# Altium PCB balenaFin_v1_x_x.PcbDoc (part 6 of 7)
Units mm, origin at the board's own origin, x right, y up, seen from the top; angles counter-clockwise.
Board outline 90.03 x 90.03 mm, 8 copper layers (TOP, GND, INT1, INT2, INT3, INT4, POWER, BOTTOM), stack 1.496 mm thick; 502 components, 409 nets, 2324 pads, 1048 vias.
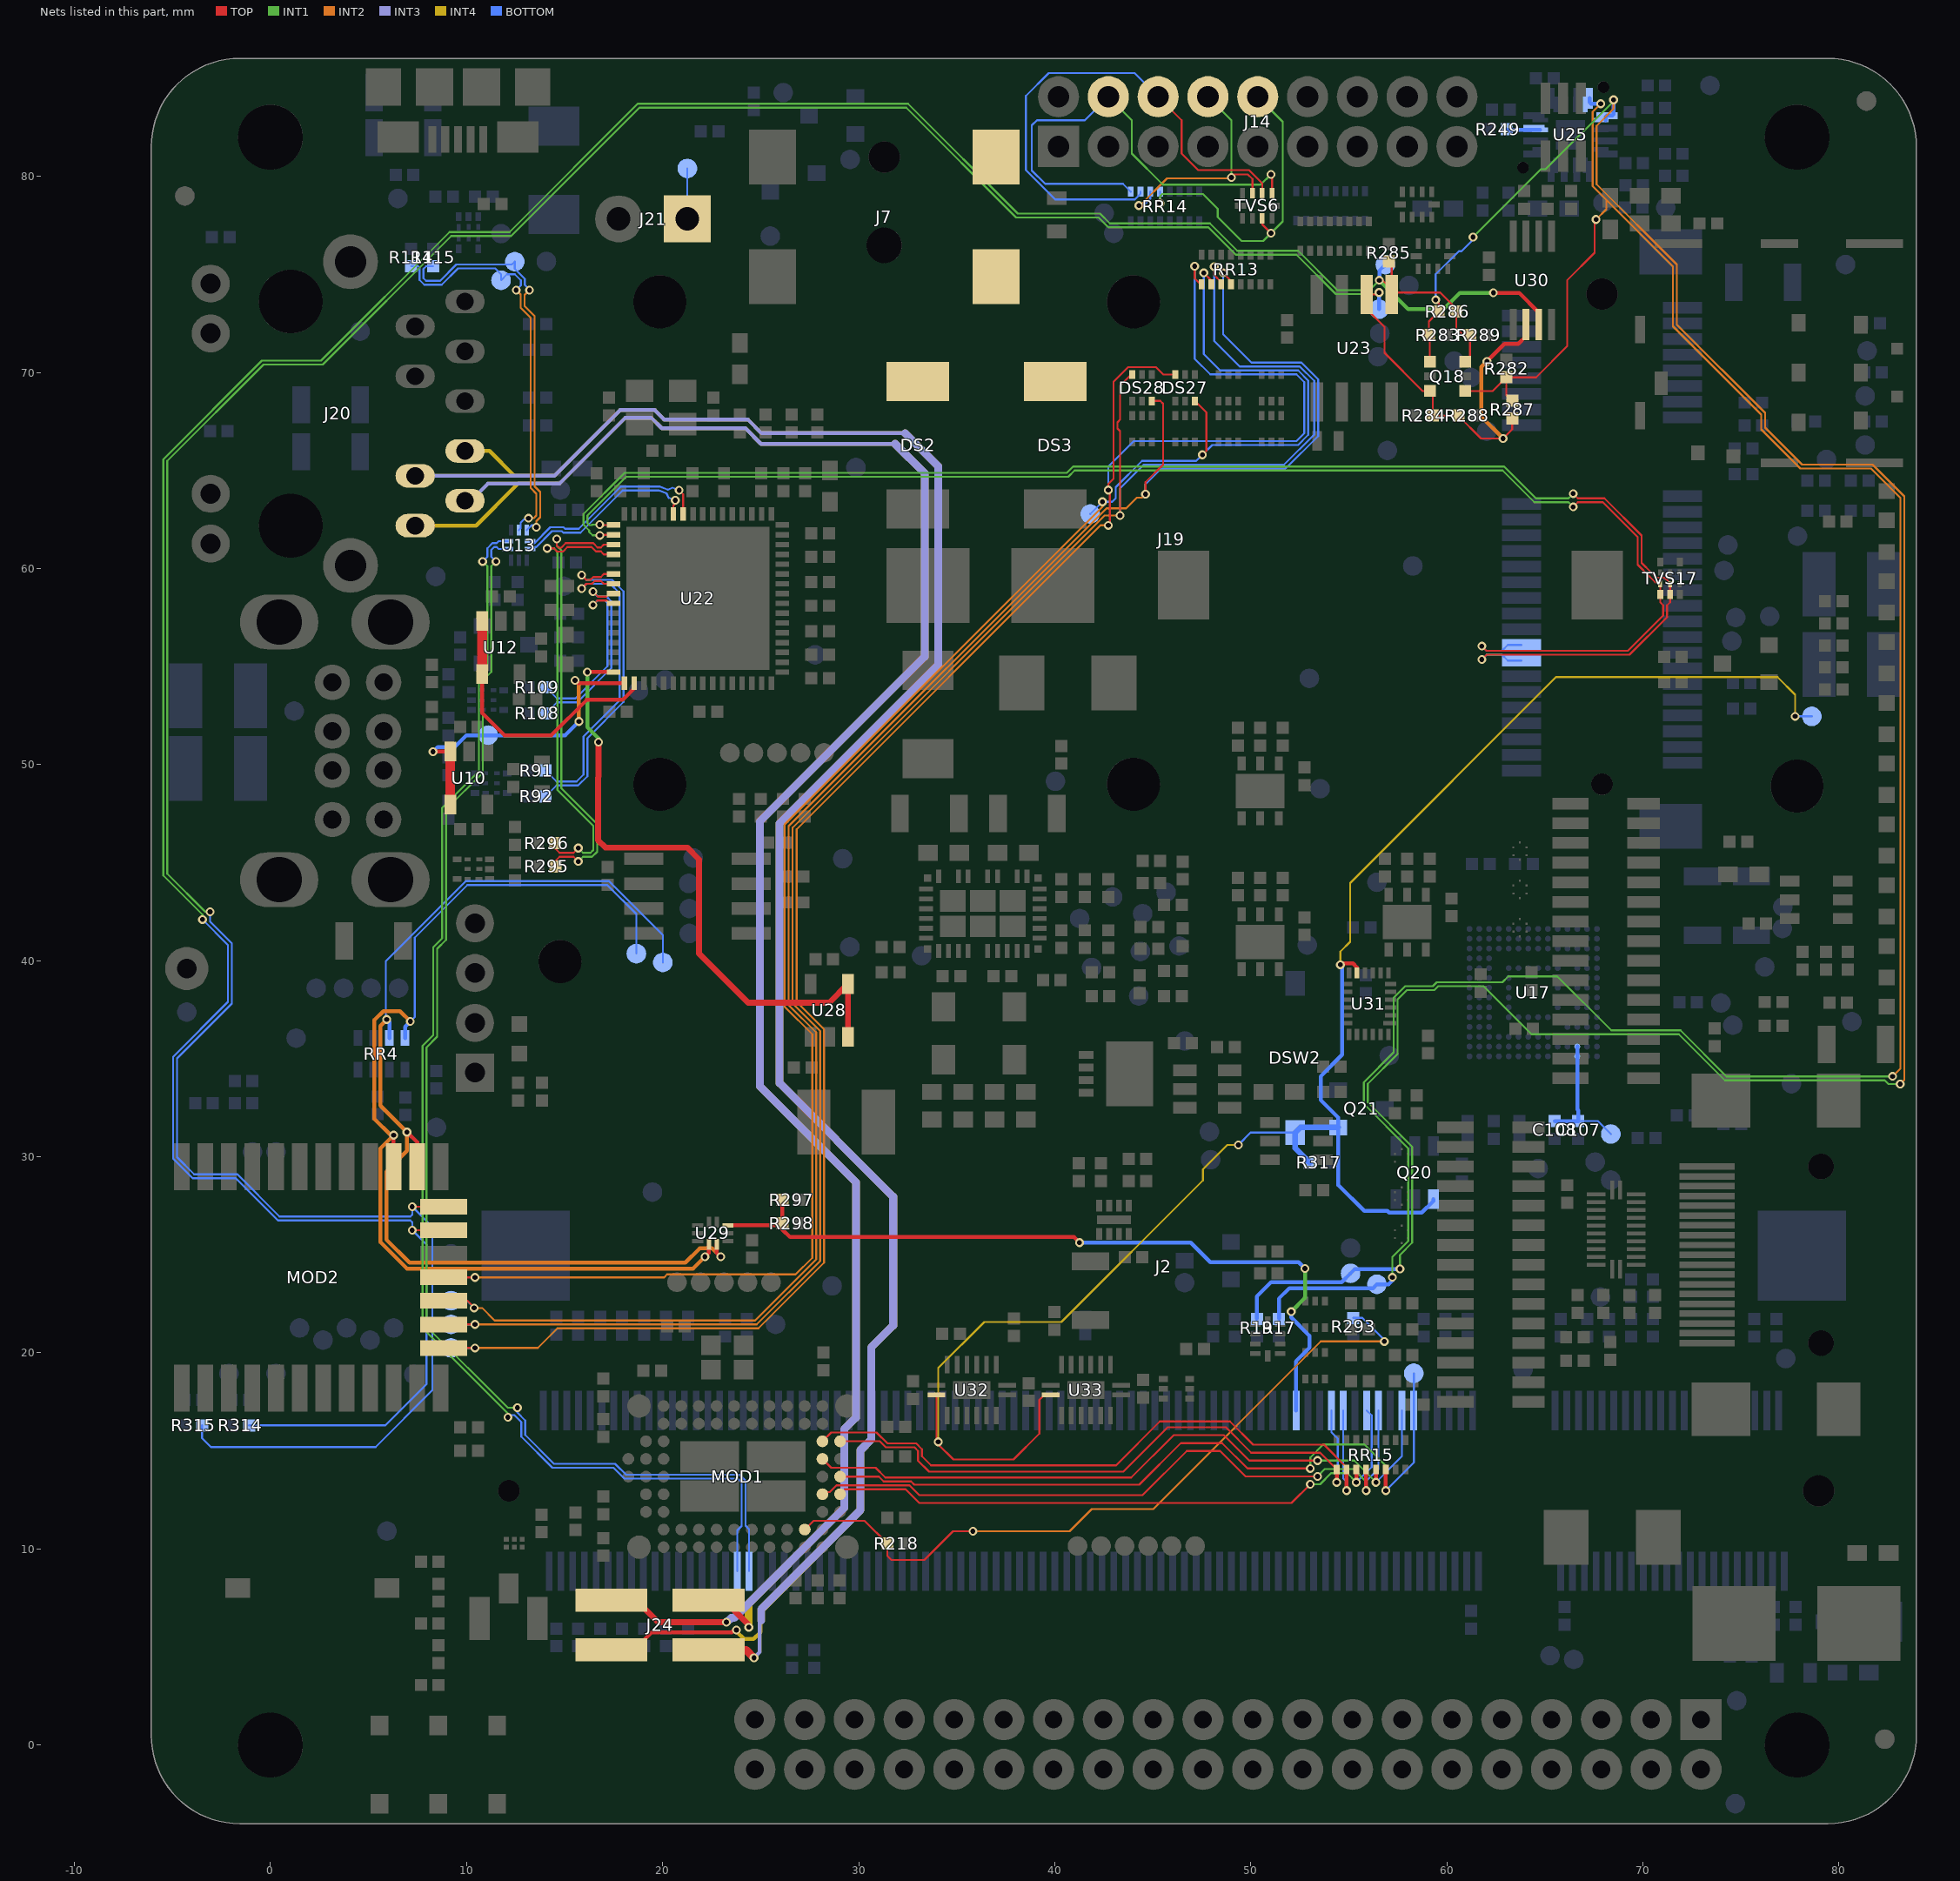
[diagram p12: the nets of this part, all layers, seen from the top]

## Via types
v1: diameter 0.45, hole 0.254, TOP to BOTTOM, tented both sides, 1048 vias

## Nets (pads, with @x,y where several pads share a name; then routed paths per layer and width w, separated by ;. In a path a pad name is that pad's centre, name@x,y a point inside that pad or via, vN(x,y) a via of type N, cw(c..) or ccw(c..) an arc to the next point about the centre after c; other vN are vias at no path point) (continued)
SEL_CAM_DIS: DSW2.2 pad.1@78.612,52.46 Q20.1 Q21.1 R317.2 U31.11 U32.1 U33.1 | length 95.3
  TOP w0.1: U32.1@33.97,17.85 33.97,15.55 v1(34.06,15.46) 34.06,15.33 34.83,14.56 37.89,14.56 39.215,15.884 39.215,17.605 39.46,17.85 U33.1@39.79,17.85
  TOP w0.2: v1(54.567,39.793) 54.633,39.86 55.205,39.86 55.41,39.655 U31.11@55.41,39.378
  INT4 w0.1: v1(34.06,15.46) 34.06,19.23 36.405,21.575 40.335,21.575 47.56,28.8 47.56,29.36 48.8,30.6 v1(49.36,30.6) ; v1(54.567,39.793) 54.567,40.467 55.06,40.96 55.06,43.96 65.56,54.46 76.86,54.46 77.76,53.56 v1(77.76,52.46)
  BOTTOM w0.1: v1(49.36,30.6) 49.99,31.23 DSW2.2@52.26,31.23 ; v1(77.76,52.46) pad.1@78.612,52.46
  BOTTOM w0.2: v1(54.567,39.793) 54.66,39.7 54.66,35.2 53.56,34.1 53.56,32.9 54.46,32 Q21.1@54.46,31.5 54.46,28.56 55.786,27.234 56.968,27.234 57.052,27.15 58.718,27.15 59.31,27.742 Q20.1@59.31,27.85
  BOTTOM w0.3: R317.2@53.01,29.7 52.26,30.45 DSW2.2@52.26,31.23 52.53,31.5 Q21.1@54.46,31.5
SEL_SWD: J2.72 R297.1 R298.2 U29.10 | length 40
  TOP w0.2: U29.10@23.329,26.5 26.01,26.5 R298.2@26.11,26.6 ; R297.1@26.11,27.8 R298.2@26.11,26.6 ; v1(41.26,25.625) 40.985,25.9 26.5,25.9 26.11,26.29 R298.2@26.11,26.6
  INT1 w0.2: v1(52.06,22.1) 52.76,22.8 v1(52.76,24.3)
  BOTTOM w0.2: v1(41.26,25.625) 46.935,25.625 47.935,24.625 52.435,24.625 v1(52.76,24.3) ; v1(52.06,22.1) 52.06,21.8 52.994,20.866 52.994,20.265 52.305,19.576 52.305,17.065 J2.72@52.31,17.06
SPI-MCU_MISO: DS28.6 MOD2.15 pad.1@9.21,22.66 RR13.4 | length 98.5
  TOP w0.1: MOD2.15@8.83,22.65 10.049,22.65 10.41,22.289 v1(10.389,22.289) ; v1(44.624,63.789) 44.63,63.794 44.63,64.4 45.53,65.3 45.53,68.4 45.385,68.545 DS28.6@44.95,68.545 ; v1(48.592,75.075) 48.99,74.677 RR13.4@48.99,74.5
  INT2 w0.1: v1(10.389,22.289) 10.791,22.289 11.43,21.65 24.714,21.65 27.83,24.766 27.83,36.334 26.43,37.734 26.43,46.866 42.639,63.075 43.643,63.075 44.182,63.614 44.449,63.614 v1(44.624,63.789)
  BOTTOM w0.1: pad.1@9.21,22.66 10.017,22.66 v1(10.389,22.289) ; v1(44.624,63.789) 44.624,64.294 45.415,65.085 51.764,65.085 53.43,66.751 53.43,69.649 52.579,70.5 50.03,70.5 48.592,71.938 v1(48.592,75.075)
SPI-MCU_MISO_EXT: J14.10 RR14.12 TVS6.8 | length 16.8
  TOP w0.1: TVS6.8@50.58,77.86 50.58,77.55 v1(51.03,77.1)
  INT1 w0.1: v1(45.37,78.618) 45.37,78.997 45.47,79.097 47.551,79.097 48.305,78.343 48.305,77.925 49.53,76.7 50.63,76.7 v1(51.03,77.1) 51.63,77.7 51.63,82.78 J14.10@50.35,84.06
  BOTTOM w0.1: v1(45.37,78.618) RR14.12@45.37,79.22
SPI-MCU_MOSI: DS28.3 MOD2.14 pad.1@9.21,21.45 RR13.3 | length 101.3
  TOP w0.1: MOD2.14@8.83,21.45 v1(10.43,21.45) ; v1(43.33,62.7) 43.33,67.01 43.195,67.145 43.195,67.455 43.33,67.59 43.33,69.33 43.895,69.895 DS28.3@43.95,69.895 ; v1(48.13,75.4) 48.13,74.972 48.29,74.812 48.29,74.81 48.49,74.61 RR13.3@48.49,74.5
  INT2 w0.1: v1(10.43,21.45) 24.797,21.45 28.03,24.683 28.03,36.417 26.63,37.817 26.63,46.783 42.547,62.7 v1(43.33,62.7)
  BOTTOM w0.1: pad.1@9.21,21.45 v1(10.43,21.45) ; v1(43.33,62.7) 43.33,64.087 44.528,65.285 51.681,65.285 53.23,66.834 53.23,69.566 52.496,70.3 49.43,70.3 48.13,71.6 v1(48.13,75.4)
SPI-MCU_MOSI_EXT: J14.8 RR14.11 TVS6.3 | length 13
  TOP w0.1: v1(49.01,79.945) 49.01,80 49.11,80.1 49.839,80.1 50.08,79.859 TVS6.3@50.08,79.14
  INT1 w0.1: J14.8@47.81,84.06 49.01,82.86 v1(49.01,79.945)
  INT2 w0.1: v1(44.29,78.508) 44.338,78.508 45.73,79.9 48.81,79.9 48.855,79.945 v1(49.01,79.945)
  BOTTOM w0.1: v1(44.29,78.508) 44.322,78.539 44.557,78.539 44.87,78.852 RR14.11@44.87,79.22
SPI-MCU_SCLK: DS27.6 MOD2.16 pad.1@41.81,62.78 RR13.2 | length 94.8
  TOP w0.1: MOD2.16@8.83,23.85 v1(10.43,23.85) ; DS27.6@47.15,68.545 47.73,67.965 47.73,66 v1(47.53,65.8) ; v1(47.599,75.075) 47.99,74.684 RR13.2@47.99,74.5
  INT2 w0.1: v1(10.43,23.85) 20.08,23.85 20.23,24 26.781,24 27.63,24.849 27.63,36.251 26.23,37.651 26.23,46.949 42.43,63.149 v1(42.43,63.4)
  BOTTOM w0.1: pad.1@41.81,62.78 v1(42.43,63.4) 42.93,63.4 43.105,63.575 43.105,64.145 44.445,65.485 47.215,65.485 v1(47.53,65.8) 48.03,66.3 52.413,66.3 52.93,66.817 52.93,69.583 52.413,70.1 48.43,70.1 47.599,70.931 v1(47.599,75.075)
SPI-MCU_SCLK_EXT: J14.6 RR14.10 TVS6.2 | length 26.8
  TOP w0.1: J14.6@45.27,84.06 46.47,82.86 46.47,81.163 47.313,80.32 49.902,80.32 50.58,79.642 TVS6.2@50.58,79.14
  BOTTOM w0.1: RR14.10@44.37,79.22 44.37,79.108 44.082,78.82 40.027,78.82 38.53,80.317 38.53,84.097 39.693,85.26 44.07,85.26 J14.6@45.27,84.06
SPI_MCU_CS-CON: DS27.3 MOD2.13 pad.1@9.21,20.25 RR13.1 | length 104.9
  TOP w0.1: MOD2.13@8.83,20.25 v1(10.43,20.25) ; v1(42.73,62.2) 42.805,62.275 42.805,63.925 v1(42.73,64) 42.73,64.317 42.995,64.582 42.995,69.527 43.738,70.27 45.162,70.27 45.537,69.895 DS27.3@46.15,69.895 ; v1(47.135,75.413) 47.135,74.795 47.43,74.5 RR13.1@47.49,74.5
  INT2 w0.1: v1(10.43,20.25) 13.63,20.25 14.63,21.25 24.88,21.25 28.23,24.6 28.23,36.5 26.83,37.9 26.83,46.7 42.33,62.2 v1(42.73,62.2)
  BOTTOM w0.1: pad.1@9.21,20.25 v1(10.43,20.25) ; v1(42.73,64) 42.73,65.2 44.03,66.5 52.33,66.5 52.73,66.9 52.73,69.5 52.33,69.9 47.93,69.9 47.135,70.695 v1(47.135,75.413)
SPI_MCU_CS-CON_EXT: J14.4 RR14.9 TVS6.1 | length 24.6
  TOP w0.1: v1(51.03,80.1) 51.08,80.05 TVS6.1@51.08,79.14
  INT1 w0.1: J14.4@42.73,84.06 43.93,82.86 43.93,81.163 45.518,79.575 47.438,79.575 47.443,79.57 50.5,79.57 v1(51.03,80.1)
  BOTTOM w0.1: J14.4@42.73,84.06 41.53,82.86 39.09,82.86 38.83,82.6 38.83,80.3 39.51,79.62 43.47,79.62 RR14.9@43.87,79.22
SW_I2C_SCL_ON: MOD2.19 pad.1@56.538,73.223 Q18.3 R284.1 R287.2 R288.1 R315.1 U23.6 U30.6 | length 172.5
  TOP w0.1: v1(7.23,27.45) MOD2.19@8.83,27.45 ; v1(56.538,74.075) 56.439,73.976 U23.6@55.91,73.976 55.91,73.22 56.813,72.317 56.813,71 58.763,69.05 Q18.3@59.13,69.05 59.28,68.9 R284.1@59.28,67.8 R288.1@60.58,67.8 61.745,66.635 v1(62.865,66.635) 63.33,67.1 R287.2@63.33,67.65
  TOP w0.2: v1(62.04,70.563) 62.927,71.45 63.638,71.45 64.03,71.842 U30.6@64.03,72.45
  INT1 w0.1: v1(-3.081,42.489) -3.329,42.489 -5.27,44.43 -5.27,65.487 -0.357,70.4 2.66,70.4 9.22,76.96 12.273,76.96 18.813,83.5 32.43,83.5 38.03,77.9 42.23,77.9 42.73,77.4 47.83,77.4 49.23,76 52.33,76 54.33,74 56.463,74 v1(56.538,74.075)
  INT2 w0.2: v1(62.04,70.563) 61.76,70.283 61.76,67.74 v1(62.865,66.635)
  BOTTOM w0.1: R315.1@-3.49,16.3 -3.49,15.65 -3.04,15.2 5.36,15.2 8.26,18.1 8.26,26.42 v1(7.23,27.45) 7.23,27.05 7.13,26.95 0.463,26.95 -1.687,29.1 -3.887,29.1 -4.77,29.983 -4.77,35.017 -1.97,37.817 -1.97,40.883 -3.081,41.994 v1(-3.081,42.489)
  BOTTOM w0.2: pad.1@56.538,73.223 v1(56.538,74.075)
SW_I2C_SCL_ON_OFF: pad.1@56.43,23.5 Q18.4 R17.2 R282.2 R287.1 U25.12 | length 126.7
  TOP w0.1: Q18.4@60.93,69.05 62.33,69.05 R282.2@63.03,69.75 ; R287.1@63.33,68.55 63.03,68.85 R282.2@63.03,69.75 ; v1(67.605,77.8) 67.605,77.775 67.53,77.7 67.53,76.1 66.13,74.7 66.13,71.335 64.545,69.75 R282.2@63.03,69.75
  INT1 w0.1: v1(57.217,23.851) 57.217,24.887 58.03,25.7 58.03,30.43 55.76,32.7 55.76,33.8 57.285,35.325 57.285,38.108 57.877,38.7 59.277,38.7 59.477,38.9 62.83,38.9 63.13,39.2 65.63,39.2 68.385,36.445 71.912,36.445 74.257,34.1 v1(82.73,34.1)
  INT2 w0.1: v1(67.605,77.8) 68.13,78.325 68.13,78.8 ; v1(67.842,83.7) 67.43,83.288 67.43,79.5 68.13,78.8 ; v1(82.73,34.1) 83.13,34.5 83.13,63.6 81.63,65.1 78.03,65.1 76.03,67.1 76.03,67.853 71.53,72.353 71.53,75.4 68.13,78.8
  BOTTOM w0.2: R17.2@51.43,21.73 51.43,22.77 51.96,23.3 56.23,23.3 pad.1@56.43,23.5 57.03,23.5 57.23,23.7 57.23,23.838 v1(57.217,23.851) ; U25.12@67.275,83.982 67.275,83.778 67.352,83.7 v1(67.842,83.7)
SW_I2C_SDA_ON: MOD2.18 pad.1@56.86,75.5 Q18.6 R285.2 R286.1 R289.2 R314.2 U23.5 U30.7 | length 166.1
  TOP w0.1: v1(7.23,26.25) MOD2.18@8.83,26.25 ; v1(56.553,74.7) 56.718,74.7 U23.5@57.18,74.238 ; R285.2@57.03,75.65 57.18,75.5 U23.5@57.18,74.238 ; Q18.6@60.93,70.55 61.18,70.8 R289.2@61.18,71.9 60.83,71.9 60.48,72.25 R286.1@60.48,73.1 60.48,73.25 59.655,74.075 57.279,74.075 U23.5@57.18,73.976 U23.5@57.18,74.238
  TOP w0.2: v1(62.37,74.06) 63.678,74.06 64.68,73.058 U30.7@64.68,72.45
  INT1 w0.1: v1(-3.47,42.1) -3.47,42.347 -5.47,44.347 -5.47,65.57 -0.44,70.6 2.577,70.6 9.137,77.16 12.19,77.16 18.73,83.7 32.513,83.7 38.113,78.1 42.313,78.1 42.813,77.6 47.913,77.6 49.313,76.2 52.413,76.2 54.413,74.2 56.053,74.2 v1(56.553,74.7)
  INT1 w0.2: v1(56.553,74.7) 58.033,73.22 59.83,73.22 60.67,74.06 v1(62.37,74.06)
  BOTTOM w0.1: v1(-3.47,42.1) -2.17,40.8 -2.17,37.9 -4.97,35.1 -4.97,29.9 -3.97,28.9 -1.77,28.9 0.38,26.75 7.13,26.75 7.23,26.65 v1(7.23,26.25) 7.959,25.521 7.959,18.399 5.86,16.3 R314.2@-1.09,16.3
  BOTTOM w0.2: v1(56.553,74.7) 56.553,75.192 pad.1@56.86,75.5
SW_I2C_SDA_ON_OFF: pad.1@55.087,24.056 Q18.1 R19.2 R283.1 R286.2 U25.13 | length 130.7
  TOP w0.1: Q18.1@59.13,70.55 59.13,71.85 R283.1@59.08,71.9 59.08,72.6 R286.2@59.58,73.1 59.58,73.55 v1(59.43,73.7)
  INT1 w0.1: v1(57.605,24.276) 57.605,24.992 58.23,25.617 58.23,30.513 55.96,32.783 55.96,33.717 57.485,35.242 57.485,38.025 57.96,38.5 59.36,38.5 59.56,38.7 61.862,38.7 64.317,36.245 71.829,36.245 74.174,33.9 82.33,33.9 82.519,33.711 v1(83.119,33.711) ; v1(61.33,76.9) 64.788,80.358 65.03,80.358 68.5,83.828 v1(68.5,83.9)
  INT2 w0.1: v1(68.5,83.9) 68.5,83.445 67.63,82.575 67.63,79.6 71.73,75.5 71.73,72.436 76.23,67.936 76.23,67.183 78.113,65.3 81.713,65.3 83.33,63.683 83.33,33.922 v1(83.119,33.711)
  BOTTOM w0.1: v1(59.43,73.7) 59.43,75 60.615,76.185 60.745,76.185 61.33,76.77 v1(61.33,76.9)
  BOTTOM w0.2: R19.2@50.31,21.73 50.31,22.88 51.03,23.6 54.63,23.6 pad.1@55.087,24.056 55.306,24.276 v1(57.605,24.276) ; U25.13@68.09,82.865 U25.13@68.09,83.035 ; U25.13@68.163,83.094 68.422,83.094 68.5,83.172 v1(68.5,83.9)
SWCLK_MCU: MOD2.21 pad.1@20.01,39.91 RR4.7 U29.7 | length 55.4
  TOP w0.2: v1(6.96,31.26) 7.48,30.74 MOD2.21@7.48,29.5 ; U29.7@22.76,25.532 22.76,25.101 v1(22.961,24.901)
  INT2 w0.2: v1(5.93,37) 5.605,36.675 5.605,32.615 v1(6.96,31.26) 6.96,30.3 5.905,29.245 5.905,25.779 7.084,24.6 21.16,24.6 21.885,25.325 22.536,25.325 v1(22.961,24.901)
  BOTTOM w0.1: v1(5.93,37) 5.88,37.05 5.88,39.98 9.96,44.06 17.26,44.06 20.01,41.31 pad.1@20.01,39.91
  BOTTOM w0.2: v1(5.93,37) 6.06,36.87 RR4.7@6.06,36.05
SWDIO_MCU: MOD2.22 pad.1@18.66,40.36 RR4.8 U29.6 | length 54.4
  TOP w0.2: MOD2.22@6.28,29.5 v1(6.28,31.1) ; v1(22.16,24.9) 22.36,25.1 U29.6@22.36,25.532
  INT2 w0.2: v1(7.13,36.9) 6.605,37.425 5.754,37.425 5.305,36.976 5.305,31.926 6.131,31.1 v1(6.28,31.1) 5.605,30.425 5.605,25.655 6.96,24.3 21.56,24.3 v1(22.16,24.9)
  BOTTOM w0.1: v1(7.13,36.9) 7.355,37.125 7.355,41.172 10.043,43.86 17.177,43.86 18.66,42.377 pad.1@18.66,40.36
  BOTTOM w0.2: RR4.8@6.86,36.05 6.86,36.63 v1(7.13,36.9)
TR00: J20.7 J24.2 | length 103.6
  TOP w0.2: J24.2@17.385,4.853 18.553,4.853 19.438,5.738 23.534,5.738 23.659,5.863 v1(23.76,5.863)
  INT4 w0.2: J20.7@9.92,65.995 11.167,65.995 12.437,64.725 14.485,64.725 17.835,68.075 19.599,68.075 20.069,67.605 24.34,67.605 25.045,66.9 32.36,66.9 ; v1(23.76,5.863) 23.794,5.829 23.794,5.759 24.145,5.408 24.642,5.408 24.994,5.759 24.994,6.894 25.094,6.994
  INT4 w0.4: 25.094,6.994 30.085,11.985 30.085,15.028 30.635,15.579 30.635,20.275 31.76,21.4 31.76,27.96 25.96,33.76 25.96,47 34.06,55.1 34.06,65.2 32.36,66.9
TR01: J20.8 J24.1 | length 101.2
  TOP w0.4: J24.1@22.335,4.853 24.251,4.853 v1(24.66,4.444)
  INT3 w0.2: J20.8@7.38,64.725 14.485,64.725 17.835,68.075 19.599,68.075 20.069,67.605 24.34,67.605 25.045,66.9 32.36,66.9 ; v1(24.66,4.444) 24.96,4.744 24.96,6.292 25.019,6.35
  INT3 w0.4: 25.019,6.35 25.019,6.919 30.085,11.985 30.085,15.028 30.635,15.579 30.635,20.275 31.76,21.4 31.76,27.96 25.96,33.76 25.96,47 34.06,55.1 34.06,65.2 32.36,66.9
TR02: J20.9 J24.4 | length 99.6
  TOP w0.3: J24.4@17.385,7.393 18.64,7.393 19.764,6.269 v1(23.252,6.269)
  INT3 w0.2: J20.9@9.92,63.455 10.215,63.455 11.085,64.325 14.737,64.325 18.087,67.675 19.433,67.675 19.958,67.151 24.229,67.151 25.019,66.36 31.86,66.36
  INT3 w0.4: v1(23.252,6.269) 23.282,6.269 23.501,6.488 23.658,6.488 29.26,12.09 29.26,16.1 29.86,16.7 29.86,28.7 24.96,33.6 24.96,47.1 33.36,55.5 33.36,64.86 31.86,66.36
TR03: J20.10 J24.3 | length 98.7
  TOP w0.3: J24.3@22.335,7.393 23.127,7.393 24.335,6.185 24.335,6.066 v1(24.394,6.008)
  INT4 w0.2: J20.10@7.38,62.185 9.46,62.185 10.482,62.185 12.487,64.19 12.49,64.19 12.625,64.325 14.737,64.325 18.087,67.675 19.433,67.675 19.669,67.439 19.958,67.151 24.229,67.151 25.019,66.36 31.86,66.36
  INT4 w0.4: v1(24.394,6.008) 24.394,7.224 29.26,12.09 29.26,16.1 29.86,16.7 29.86,28.7 24.96,33.6 24.96,47.1 33.36,55.5 33.36,64.86 31.86,66.36
USB_DBG_D+: pad.1@12.46,75.65 R115.1 U13.5 | length 21.1
  INT2 w0.1: v1(13.211,74.2) 12.96,73.949 12.96,73.383 13.47,72.873 13.47,64.19 13.76,63.9 13.76,62.617 13.56,62.417 v1(13.56,62.1)
  BOTTOM w0.1: R115.1@8.29,75.41 7.93,75.41 7.803,75.283 7.803,74.802 7.93,74.675 8.652,74.675 9.477,75.5 12.31,75.5 pad.1@12.46,75.65 12.46,75.283 12.97,74.773 12.97,74.462 13.211,74.221 v1(13.211,74.2) ; U13.5@13.07,61.958 13.315,62.204 13.457,62.204 v1(13.56,62.1)
USB_DBG_D-: pad.1@11.76,74.7 R114.1 U13.4 | length 21.3
  INT2 w0.1: v1(12.529,74.2) 12.76,73.969 12.76,73.3 13.27,72.79 13.27,64.107 13.56,63.817 13.56,62.7 13.425,62.565 v1(13.16,62.565)
  BOTTOM w0.1: R114.1@7.17,75.41 7.53,75.41 7.603,75.337 7.603,74.719 7.847,74.475 8.735,74.475 9.56,75.3 11.46,75.3 11.76,75 pad.1@11.76,74.7 12.06,75 12.46,75 12.77,74.69 12.77,74.44 v1(12.529,74.2) ; U13.4@12.67,61.958 12.76,62.048 12.76,62.339 12.921,62.5 13.095,62.5 v1(13.16,62.565)
USB_DM: J2.167 U13.2 | length 67.3
  INT1 w0.1: v1(10.82,60.36) 11.06,60.119 11.06,54.813 10.63,54.383 10.63,49.67 8.76,47.8 8.76,41.143 8.305,40.688 8.305,36.205 7.76,35.66 7.76,21.26 12.11,16.91 v1(12.11,16.72)
  BOTTOM w0.1: v1(10.82,60.36) 11.06,60.6 11.06,61.031 11.319,61.29 11.543,61.29 11.643,61.39 U13.2@12.102,61.39 ; v1(12.11,16.72) 12.217,16.827 12.436,16.827 12.792,16.471 12.792,15.729 14.374,14.146 17.491,14.146 18.052,13.585 23.835,13.585 24.03,13.39 24.03,11.17 23.81,10.949 J2.167@23.81,8.86
USB_DP: J2.165 U13.1 | length 66.9
  INT1 w0.1: v1(11.501,60.36) 11.26,60.119 11.26,54.73 10.83,54.3 10.83,49.587 8.96,47.717 8.96,41.06 8.505,40.605 8.505,36.122 7.96,35.577 7.96,21.343 12.102,17.201 v1(12.592,17.201)
  BOTTOM w0.1: v1(11.501,60.36) 11.26,60.6 11.26,60.948 11.402,61.09 11.543,61.09 11.643,60.99 U13.1@12.102,60.99 ; v1(12.592,17.201) 12.592,16.954 12.992,16.554 12.992,15.811 14.457,14.346 17.574,14.346 18.135,13.785 23.918,13.785 24.23,13.473 24.23,11.188 24.41,11.008 J2.165@24.41,8.86
USB_HOST1_CTRL: pad.1@11.1,51.5 U10.3 U10.4 U22.17 | length 16.4
  TOP w0.2: v1(8.29,50.66) U10.3@9.17,50.66 ; v1(15.53,54.3) 15.67,54.16 U22.17@18.05,54.16
  TOP w0.5: U10.4@9.17,47.96 U10.3@9.17,50.66
  INT2 w0.2: v1(15.53,54.3) 15.73,54.1 v1(15.73,52.2)
  BOTTOM w0.2: v1(8.29,50.66) 8.53,50.9 9.393,50.9 9.993,51.5 pad.1@11.1,51.5 15.03,51.5 v1(15.73,52.2)
USB_HOST1_D+: R91.1 U22.7 | length 16.4
  TOP w0.1: v1(15.873,58.98) 16.113,59.22 16.396,59.22 16.546,59.37 16.847,59.37 16.997,59.22 U22.7@17.49,59.22
  BOTTOM w0.1: R91.1@14.03,49.7 14.59,49.14 15.61,49.14 15.96,49.49 15.96,51.43 17.805,53.275 17.805,58.745 17.33,59.22 16.113,59.22 v1(15.873,58.98)
USB_HOST1_D-: R92.1 U22.6 | length 17.1
  TOP w0.1: v1(15.873,59.661) 16.113,59.42 16.313,59.42 16.463,59.57 16.847,59.57 16.997,59.72 U22.6@17.49,59.72
  BOTTOM w0.1: R92.1@14.03,48.38 14.59,48.94 15.693,48.94 16.16,49.407 16.16,51.347 18.005,53.192 18.005,58.828 17.413,59.42 16.113,59.42 v1(15.873,59.661)
USB_HOST2_CTRL: U12.3 U12.4 U22.18 | length 14.2
  TOP w0.2: U12.4@10.8,54.62 10.8,52.63 11.93,51.5 14.33,51.5 16.13,53.3 17.958,53.3 18.55,53.892 U22.18@18.55,54.16
  TOP w0.5: U12.4@10.8,54.62 U12.3@10.8,57.32
USB_HOST2_D+: R109.1 U22.9 | length 9.4
  TOP w0.1: v1(16.45,58.14) 16.68,58.37 17.14,58.37 17.29,58.22 U22.9@17.49,58.22
  BOTTOM w0.1: R109.1@14.05,53.94 14.61,53.38 15.557,53.38 17.19,55.013 17.19,58.237 17.047,58.38 16.69,58.38 v1(16.45,58.14)
USB_HOST2_D-: R108.1 U22.8 | length 10
  TOP w0.1: v1(16.45,58.82) 16.7,58.57 17.14,58.57 17.29,58.72 U22.8@17.49,58.72
  BOTTOM w0.1: R108.1@14.05,52.62 14.61,53.18 15.64,53.18 17.39,54.93 17.39,58.32 17.13,58.58 16.69,58.58 v1(16.45,58.82)
USB_HOST_INT_CTRL: U22.16 U28.3 U28.4 | length 32.2
  TOP w0.2: v1(16.16,54.713) 16.167,54.72 U22.16@17.49,54.72
  TOP w0.3: v1(16.735,51.15) 16.735,49.436 16.71,49.31 16.71,46.138 17.08,45.768 21.26,45.768 21.86,45.167 21.86,40.36 24.36,37.86 28.5,37.86 U28.4@29.45,38.81 U28.3@29.45,36.11
  INT1 w0.2: v1(16.16,54.713) 16.16,51.9 16.735,51.325 v1(16.735,51.15)
USB_HUB_D+: U13.7 U22.59 | length 9.6
  TOP w0.1: U22.59@20.55,62.78 20.55,63.21 20.647,63.307 v1(20.647,63.477)
  BOTTOM w0.1: U13.7@13.239,60.99 13.347,61.1 13.555,61.1 14.355,61.9 14.86,61.9 14.935,61.825 15.805,61.825 17.957,63.977 19.819,63.977 20.202,63.832 20.303,63.607 v1(20.647,63.477)
USB_HUB_D-: U13.6 U22.58 | length 10.3
  TOP w0.1: v1@20.841,63.991 21.05,63.782 U22.58@21.05,62.78
  BOTTOM w0.1: U13.6@13.239,61.39 13.329,61.3 13.472,61.3 14.272,62.1 14.943,62.1 15.018,62.025 15.722,62.025 17.874,64.177 19.856,64.177 20.272,64.02 20.498,64.121 v1(20.841,63.992)
USB_INT+: R296.1 U22.4 | length 22.8
  TOP w0.1: v1(14.114,61.026) 14.454,61.026 14.613,60.867 14.92,60.867 15.143,61.09 16.377,61.09 16.597,60.87 16.847,60.87 16.997,60.72 U22.4@17.49,60.72 ; R296.1@14.52,45.99 14.52,45.72 14.74,45.5 15.46,45.5 v1(15.701,45.741)
  INT1 w0.1: v1(14.114,61.026) 14.454,61.026 14.63,60.85 14.63,48.707 16.46,46.877 16.46,45.643 16.317,45.5 15.941,45.5 v1(15.701,45.741)
USB_INT-: R295.1 U22.3 | length 23.1
  TOP w0.1: R295.1@14.54,44.81 14.54,45.1 14.74,45.3 15.46,45.3 v1(15.701,45.06) ; v1(14.596,61.507) 14.596,61.167 14.696,61.067 14.837,61.067 15.06,61.29 16.46,61.29 16.68,61.07 16.847,61.07 16.997,61.22 U22.3@17.49,61.22
  INT1 w0.1: v1(14.596,61.507) 14.596,61.167 14.83,60.933 14.83,48.79 16.66,46.96 16.66,45.56 16.4,45.3 15.941,45.3 v1(15.701,45.06)
USB_MPCIE_D+: J19.38 TVS17.2 U22.2 | length 76.7
  TOP w0.1: v1(16.793,61.69) 16.823,61.72 U22.2@17.49,61.72 ; v1(61.78,55.36) 62.021,55.6 69.313,55.6 71.23,57.517 71.23,58.123 71.38,58.273 TVS17.2@71.38,58.675 TVS17.2@71.38,59.2 71.38,59.25 71.1,59.53 70.683,59.53 70.423,59.79 69.93,60.283 69.93,61.683 68.033,63.58 66.68,63.58 v1(66.44,63.82)
  INT1 w0.1: v1(16.793,61.69) 16.426,61.689 16.25,61.863 16.25,61.943 15.96,62.233 15.96,62.783 18.059,64.882 40.612,64.882 40.93,65.2 62.92,65.2 64.54,63.58 66.199,63.58 v1(66.44,63.82)
  BOTTOM w0.1: v1(61.78,55.36) 62.021,55.6 62.81,55.6 63.11,55.3 J19.38@63.81,55.3
USB_MPCIE_D-: J19.36 TVS17.1 U22.1 | length 74.9
  TOP w0.1: v1(16.791,62.24) 16.811,62.22 U22.1@17.49,62.22 ; v1(61.78,56.041) 62.021,55.8 69.23,55.8 71.03,57.6 71.03,58.123 70.88,58.273 70.88,59.25 70.83,59.3 70.63,59.3 70.34,59.59 69.73,60.2 69.73,61.6 67.95,63.38 66.68,63.38 v1(66.44,63.14)
  INT1 w0.1: v1(16.791,62.24) 16.424,62.239 16.402,62.216 16.26,62.216 16.16,62.316 16.16,62.7 18.142,64.682 40.695,64.682 41.013,65 62.837,65 64.457,63.38 66.199,63.38 v1(66.44,63.14)
  BOTTOM w0.1: v1(61.78,56.041) 62.021,55.8 62.81,55.8 63.11,56.1 J19.36@63.81,56.1
VDDM: C107.2 C108.2 pad.1@68.36,31.16 U17.C1 U17.C2 | length 7
  BOTTOM w0.1: C107.2@66.7,31.82 67.7,31.82 pad.1@68.36,31.16
  BOTTOM w0.2: C108.2@65.5,31.82 C107.2@66.7,31.82 66.7,32.357 66.65,32.407 U17.C1@66.65,35.12 U17.C2@66.65,35.62
VIN_CON: DS2.2 J21.1 pad.1@21.26,80.4 | length 2.6
  BOTTOM w0.1: J21.1@21.26,77.83 pad.1@21.26,80.4
VIN_JACK: DS3.2 J7.1A J7.1B
W-DISABLE_MPCIE: R249.2 U25.7 | length 1.7
  BOTTOM w0.2: R249.2@63.05,82.4 63.081,82.369 U25.7@64.75,82.369

## Text inside footprints (layer, text, board x,y; h text height)
Q2: PIN_NUMBER "1" at 29.855,84.1 h0.2 r90; PIN_NUMBER "2" at 29.775,82.1 h0.2 r90; PIN_NUMBER "3" at 27.485,83.1 h0.2 r90
Q3: PIN_NUMBER "2" at 25.23,81.16 h0.2 r270; PIN_NUMBER "1" at 25.31,79.16 h0.2 r270; PIN_NUMBER "3" at 27.68,80.16 h0.2 r270
Q6: PIN_NUMBER "2" at 10.55,57.12 h0.2 r270; PIN_NUMBER "1" at 10.63,55.12 h0.2 r270; PIN_NUMBER "3" at 13,56.12 h0.2 r270
Q13: PIN_NUMBER "2" at 76.37,56.15 h0.2 r90; PIN_NUMBER "1" at 76.45,54.15 h0.2 r90; PIN_NUMBER "3" at 74.08,55.15 h0.2 r90
Q14: PIN_NUMBER "4" at 41.515,33.255 h0.2 r270; PIN_NUMBER "5" at 43.74,34.23 h0.2 r270; PIN_NUMBER "3" at 41.515,33.905 h0.2 r270; PIN_NUMBER "2" at 41.515,34.555 h0.2 r270; PIN_NUMBER "1" at 41.515,35.205 h0.2 r270
Q15: PIN_NUMBER "2" at 48.87,33.58 h0.2 r90; PIN_NUMBER "1" at 48.87,32.63 h0.2 r90; PIN_NUMBER "3" at 48.87,34.53 h0.2 r90; PIN_NUMBER "4" at 46.57,34.53 h0.2 r90; PIN_NUMBER "6" at 46.57,32.63 h0.2 r90; PIN_NUMBER "5" at 46.57,33.58 h0.2 r90
Q16: PIN_NUMBER "2" at 80.1,43.1 h0.2 r180; PIN_NUMBER "5" at 77.4,43.1 h0.2 r180; PIN_NUMBER "4" at 77.4,44.05 h0.2 r180; PIN_NUMBER "1" at 80.1,42.15 h0.2 r180; PIN_NUMBER "3" at 80.1,44.05 h0.2 r180; PIN_NUMBER "6" at 77.4,42.15 h0.2 r180
Q17: PIN_NUMBER "6" at 50.9,29.85 h0.2 r180; PIN_NUMBER "4" at 50.9,31.75 h0.2 r180; PIN_NUMBER "3" at 53.6,31.75 h0.2 r180; PIN_NUMBER "1" at 53.6,29.85 h0.2 r180; PIN_NUMBER "5" at 50.9,30.8 h0.2 r180; PIN_NUMBER "2" at 53.6,30.8 h0.2 r180
Q18: PIN_NUMBER "4" at 60.8,69 h0.2; PIN_NUMBER "1" at 59.05,70.45 h0.2; PIN_NUMBER "3" at 59,69 h0.2; PIN_NUMBER "6" at 60.8,70.4 h0.2; PIN_NUMBER "5" at 60.85,69.7 h0.2; PIN_NUMBER "2" at 59.05,69.7 h0.2
Q20: PIN_NUMBER "2" at 58.28,27.85 h0.2 r270; PIN_NUMBER "5" at 58.28,30.55 h0.2 r270; PIN_NUMBER "3" at 57.33,27.85 h0.2 r270; PIN_NUMBER "6" at 59.23,30.55 h0.2 r270; PIN_NUMBER "4" at 57.33,30.55 h0.2 r270; PIN_NUMBER "1" at 59.23,27.85 h0.2 r270
Q21: PIN_NUMBER "2" at 54.2,33.45 h0.2 r270; PIN_NUMBER "3" at 56.65,32.45 h0.2 r270; PIN_NUMBER "1" at 54.28,31.45 h0.2 r270
R1: PIN_NUMBER "1" at 72.95,6.04 h0.2 r90; PIN_NUMBER "2" at 72.95,5.14 h0.2 r90
R2: PIN_NUMBER "2" at 77.03,37.89 h0.2; PIN_NUMBER "1" at 76.13,37.89 h0.2
R3: PIN_NUMBER "1" at 75.46,6.57 h0.2; PIN_NUMBER "2" at 74.56,6.57 h0.2
R4: PIN_NUMBER "2" at 76.59,6.14 h0.2 r90; PIN_NUMBER "1" at 76.59,7.04 h0.2 r90
R5: PIN_NUMBER "2" at 77.71,6.14 h0.2 r90; PIN_NUMBER "1" at 77.71,7.04 h0.2 r90
R6: PIN_NUMBER "1" at 73.58,36.54 h0.2 r270; PIN_NUMBER "2" at 73.58,35.64 h0.2 r270
R7: PIN_NUMBER "1" at 70.43,23.75 h0.2 r90; PIN_NUMBER "2" at 70.43,22.85 h0.2 r90
R8: PIN_NUMBER "1" at 70.43,20.83 h0.2 r270; PIN_NUMBER "2" at 70.43,21.73 h0.2 r270
R9: PIN_NUMBER "1" at 69.31,20.83 h0.2 r270; PIN_NUMBER "2" at 69.31,21.73 h0.2 r270
R10: PIN_NUMBER "1" at 69.31,23.75 h0.2 r90; PIN_NUMBER "2" at 69.31,22.85 h0.2 r90
R11: PIN_NUMBER "2" at 68.19,21.73 h0.2 r270; PIN_NUMBER "1" at 68.19,20.83 h0.2 r270
R12: PIN_NUMBER "2" at 67.07,21.73 h0.2 r270; PIN_NUMBER "1" at 67.07,20.83 h0.2 r270
R13: PIN_NUMBER "1" at 66.05,28.55 h0.2 r270; PIN_NUMBER "2" at 66.05,27.65 h0.2 r270
R14: PIN_NUMBER "1" at 59.85,20.83 h0.2 r270; PIN_NUMBER "2" at 59.85,21.73 h0.2 r270
R15: PIN_NUMBER "1" at 58.73,20.83 h0.2 r270; PIN_NUMBER "2" at 58.73,21.73 h0.2 r270
R16: PIN_NUMBER "1" at 67.9,22.04 h0.2 r90; PIN_NUMBER "2" at 67.9,22.94 h0.2 r90
R17: PIN_NUMBER "1" at 51.35,20.83 h0.2 r270; PIN_NUMBER "2" at 51.35,21.73 h0.2 r270
R18: PIN_NUMBER "1" at 49.11,21.73 h0.2 r90; PIN_NUMBER "2" at 49.11,20.83 h0.2 r90
R19: PIN_NUMBER "1" at 50.23,20.83 h0.2 r270; PIN_NUMBER "2" at 50.23,21.73 h0.2 r270
R20: PIN_NUMBER "1" at 47.99,21.73 h0.2 r90; PIN_NUMBER "2" at 47.99,20.83 h0.2 r90
R21: PIN_NUMBER "2" at 51.29,25.17 h0.2; PIN_NUMBER "1" at 50.39,25.17 h0.2
R22: PIN_NUMBER "2" at 51.29,24.05 h0.2; PIN_NUMBER "1" at 50.39,24.05 h0.2
R23: PIN_NUMBER "2" at 34.18,20.97 h0.2 r180; PIN_NUMBER "1" at 35.08,20.97 h0.2 r180
R24: PIN_NUMBER "1" at 39.91,22.08 h0.2 r270; PIN_NUMBER "2" at 39.91,21.18 h0.2 r270
R25: PIN_NUMBER "2" at 37.83,21.76 h0.2 r90; PIN_NUMBER "1" at 37.83,20.86 h0.2 r90
R26: PIN_NUMBER "1" at 41.48,21.85 h0.2 r90; PIN_NUMBER "2" at 41.48,20.95 h0.2 r90
R28: PIN_NUMBER "2" at 24.22,21.73 h0.2 r270; PIN_NUMBER "1" at 24.22,20.83 h0.2 r270
R29: PIN_NUMBER "2" at 23.1,21.73 h0.2 r270; PIN_NUMBER "1" at 23.1,20.83 h0.2 r270
R31: PIN_NUMBER "1" at 79.2,57.2 h0.2; PIN_NUMBER "2" at 80.1,57.2 h0.2
R32: PIN_NUMBER "1" at 24.58,83.37 h0.2 r270; PIN_NUMBER "2" at 24.58,84.27 h0.2 r270
R35: PIN_NUMBER "2" at 51.54,51.87 h0.2 r90; PIN_NUMBER "1" at 51.54,50.97 h0.2 r90
R37: PIN_NUMBER "1" at 50.4,51.87 h0.2 r270; PIN_NUMBER "2" at 50.4,50.97 h0.2 r270
R42: PIN_NUMBER "2" at 51.54,44.23 h0.2 r90; PIN_NUMBER "1" at 51.54,43.33 h0.2 r90
R46: PIN_NUMBER "1" at 50.4,44.23 h0.2 r270; PIN_NUMBER "2" at 50.4,43.33 h0.2 r270
R49: PIN_NUMBER "1" at 59.04,44.29 h0.2 r90; PIN_NUMBER "2" at 59.04,45.19 h0.2 r90
R52: PIN_NUMBER "1" at 57.9,45.19 h0.2 r270; PIN_NUMBER "2" at 57.9,44.29 h0.2 r270
R66: PIN_NUMBER "2" at 80.3,62.4 h0.2; PIN_NUMBER "1" at 79.4,62.4 h0.2
R67: PIN_NUMBER "1" at 79.2,58.34 h0.2; PIN_NUMBER "2" at 80.1,58.34 h0.2
R81: PIN_NUMBER "2" at 57.26,22.52 h0.2 r180; PIN_NUMBER "1" at 58.16,22.52 h0.2 r180
R82: PIN_NUMBER "1" at 55.94,22.52 h0.2 r180; PIN_NUMBER "2" at 55.04,22.52 h0.2 r180
R83: PIN_NUMBER "2" at 57.26,21.2 h0.2 r180; PIN_NUMBER "1" at 58.16,21.2 h0.2 r180
R84: PIN_NUMBER "1" at 55.94,21.2 h0.2 r180; PIN_NUMBER "2" at 55.04,21.2 h0.2 r180
R85: PIN_NUMBER "2" at 57.26,19.88 h0.2 r180; PIN_NUMBER "1" at 58.16,19.88 h0.2 r180
R86: PIN_NUMBER "1" at 55.94,19.88 h0.2 r180; PIN_NUMBER "2" at 55.04,19.88 h0.2 r180
R87: PIN_NUMBER "2" at 57.26,18.56 h0.2 r180; PIN_NUMBER "1" at 58.16,18.56 h0.2 r180
R88: PIN_NUMBER "1" at 55.94,18.56 h0.2 r180; PIN_NUMBER "2" at 55.04,18.56 h0.2 r180
R91: PIN_NUMBER "1" at 13.95,49.7 h0.2; PIN_NUMBER "2" at 13.05,49.7 h0.2
R92: PIN_NUMBER "2" at 13.05,48.38 h0.2; PIN_NUMBER "1" at 13.95,48.38 h0.2
R96: PIN_NUMBER "1" at 1.51,68.45 h0.2 r180; PIN_NUMBER "2" at 4.507,68.447 h0.2 r180
R108: PIN_NUMBER "1" at 13.97,52.62 h0.2; PIN_NUMBER "2" at 13.07,52.62 h0.2
R109: PIN_NUMBER "1" at 13.97,53.94 h0.2; PIN_NUMBER "2" at 13.07,53.94 h0.2
R113: PIN_NUMBER "1" at 11.35,58.41 h0.2 r270; PIN_NUMBER "2" at 11.35,59.31 h0.2 r270
R114: PIN_NUMBER "2" at 7.09,76.31 h0.2 r270; PIN_NUMBER "1" at 7.09,75.41 h0.2 r270
R115: PIN_NUMBER "2" at 8.21,76.31 h0.2 r270; PIN_NUMBER "1" at 8.21,75.41 h0.2 r270
R116: PIN_NUMBER "1" at 9.59,56.5 h0.2 r90; PIN_NUMBER "2" at 9.59,55.6 h0.2 r90
R117: PIN_NUMBER "1" at 8.02,81.87 h0.2; PIN_NUMBER "2" at 5.023,81.873 h0.2
R118: PIN_NUMBER "1" at 8.38,34.38 h0.2 r90; PIN_NUMBER "2" at 8.38,33.48 h0.2 r90
R119: PIN_NUMBER "2" at 66.25,78.35 h0.2 r270; PIN_NUMBER "1" at 66.25,79.25 h0.2 r270
R121: PIN_NUMBER "2" at 65.05,78.35 h0.2 r270; PIN_NUMBER "1" at 65.05,79.25 h0.2 r270
R123: PIN_NUMBER "2" at 63.85,78.35 h0.2 r270; PIN_NUMBER "1" at 63.85,79.25 h0.2 r270
R128: PIN_NUMBER "1" at 6.79,32.13 h0.2 r270; PIN_NUMBER "2" at 6.79,33.03 h0.2 r270
R132: PIN_NUMBER "2" at 5.39,32.17 h0.2 r90; PIN_NUMBER "1" at 5.39,33.07 h0.2 r90
R133: PIN_NUMBER "2" at 62.3,30.92 h0.2 r90; PIN_NUMBER "1" at 62.3,31.82 h0.2 r90
R134: PIN_NUMBER "2" at 60.98,30.92 h0.2 r90; PIN_NUMBER "1" at 60.98,31.82 h0.2 r90
R135: PIN_NUMBER "2" at 69.65,30.965 h0.2; PIN_NUMBER "1" at 70.55,30.965 h0.2
R136: PIN_NUMBER "2" at 74.025,31.675 h0.2; PIN_NUMBER "1" at 74.925,31.675 h0.2
R137: PIN_NUMBER "2" at 74.15,33.648 h0.2 r180; PIN_NUMBER "1" at 73.25,33.648 h0.2 r180
R138: PIN_NUMBER "2" at 72.55,32.116 h0.2 r180; PIN_NUMBER "1" at 71.65,32.116 h0.2 r180
R139: PIN_NUMBER "1" at 72.67,37.87 h0.2; PIN_NUMBER "2" at 71.77,37.87 h0.2
R140: PIN_NUMBER "1" at 63.62,30.92 h0.2 r270; PIN_NUMBER "2" at 63.62,31.82 h0.2 r270
R142: PIN_NUMBER "2" at 79.2,64.47 h0.2 r180; PIN_NUMBER "1" at 78.3,64.47 h0.2 r180
R143: PIN_NUMBER "1" at 80.52,64.47 h0.2 r180; PIN_NUMBER "2" at 81.42,64.47 h0.2 r180
R144: PIN_NUMBER "2" at 79.2,62.95 h0.2 r180; PIN_NUMBER "1" at 78.3,62.95 h0.2 r180
R145: PIN_NUMBER "1" at 80.52,62.95 h0.2 r180; PIN_NUMBER "2" at 81.42,62.95 h0.2 r180
R146: PIN_NUMBER "1" at 79.43,37.86 h0.2; PIN_NUMBER "2" at 80.33,37.86 h0.2
R147: PIN_NUMBER "2" at 80.37,40.45 h0.2 r90; PIN_NUMBER "1" at 80.37,39.55 h0.2 r90
R148: PIN_NUMBER "1" at 74.33,46.06 h0.2; PIN_NUMBER "2" at 75.23,46.06 h0.2
R153: PIN_NUMBER "1" at 6.31,80.07 h0.2 r180; PIN_NUMBER "2" at 7.21,80.07 h0.2 r180
R162: PIN_NUMBER "2" at 25.17,67.85 h0.2 r90; PIN_NUMBER "1" at 25.17,66.95 h0.2 r90
R163: PIN_NUMBER "2" at 23.85,67.85 h0.2 r90; PIN_NUMBER "1" at 23.85,66.95 h0.2 r90
R164: PIN_NUMBER "2" at 27.81,67.85 h0.2 r90; PIN_NUMBER "1" at 27.81,66.95 h0.2 r90
R165: PIN_NUMBER "2" at 26.49,67.85 h0.2 r90; PIN_NUMBER "1" at 26.49,66.95 h0.2 r90
R169: PIN_NUMBER "2" at 27.1,42.97 h0.2; PIN_NUMBER "1" at 26.2,42.97 h0.2
R170: PIN_NUMBER "1" at 17.11,43.87 h0.2 r90; PIN_NUMBER "2" at 17.11,44.77 h0.2 r90
R171: PIN_NUMBER "1" at 27.1,44.29 h0.2 r180; PIN_NUMBER "2" at 26.2,44.29 h0.2 r180
R174: PIN_NUMBER "1" at 80.1,56.08 h0.2 r180; PIN_NUMBER "2" at 79.2,56.08 h0.2 r180
R175: PIN_NUMBER "1" at 80.1,53.84 h0.2 r180; PIN_NUMBER "2" at 79.2,53.84 h0.2 r180
R177: PIN_NUMBER "1" at 80.1,54.96 h0.2 r180; PIN_NUMBER "2" at 79.2,54.96 h0.2 r180
R180: PIN_NUMBER "2" at 42.27,29.67 h0.2 r90; PIN_NUMBER "1" at 42.27,28.77 h0.2 r90
R182: PIN_NUMBER "1" at 41.56,24.57 h0.2 r270; PIN_NUMBER "2" at 41.563,21.573 h0.2 r270
R183: PIN_NUMBER "1" at 74.35,4.52 h0.2 r270; PIN_NUMBER "2" at 74.35,5.42 h0.2 r270
R184: PIN_NUMBER "1" at 75.47,4.52 h0.2 r270; PIN_NUMBER "2" at 75.47,5.42 h0.2 r270
R185: PIN_NUMBER "2" at 71.368,77.487 h0.2; PIN_NUMBER "1" at 69.773,77.507 h0.2
R186: PIN_NUMBER "1" at 69.773,78.907 h0.2; PIN_NUMBER "2" at 71.368,78.887 h0.2
R187: PIN_NUMBER "1" at 68.263,77.403 h0.2 r90; PIN_NUMBER "2" at 68.283,78.998 h0.2 r90
R188: PIN_NUMBER "2" at 73.7,77.6 h0.2; PIN_NUMBER "1" at 72.8,77.6 h0.2
R200: PIN_NUMBER "2" at 15.6,63 h0.2 r180; PIN_NUMBER "1" at 14.7,63 h0.2 r180
R201: PIN_NUMBER "2" at 17.75,64.85 h0.2 r90; PIN_NUMBER "1" at 17.75,63.95 h0.2 r90
R202: PIN_NUMBER "2" at 26.07,64.85 h0.2 r90; PIN_NUMBER "1" at 26.07,63.95 h0.2 r90
R203: PIN_NUMBER "2" at 28.4,55.6 h0.2; PIN_NUMBER "1" at 27.5,55.6 h0.2
R204: PIN_NUMBER "2" at 19.4,66 h0.2 r180; PIN_NUMBER "1" at 20.3,66 h0.2 r180
R205: PIN_NUMBER "2" at 14.2,57.9 h0.2 r180; PIN_NUMBER "1" at 15.1,57.9 h0.2 r180
R206: PIN_NUMBER "2" at 27.17,47.35 h0.2 r270; PIN_NUMBER "1" at 27.17,48.25 h0.2 r270
R207: PIN_NUMBER "2" at 26.05,47.35 h0.2 r270; PIN_NUMBER "1" at 26.05,48.25 h0.2 r270
R208: PIN_NUMBER "2" at 24.93,47.35 h0.2 r270; PIN_NUMBER "1" at 24.93,48.25 h0.2 r270
R209: PIN_NUMBER "2" at 23.81,47.35 h0.2 r270; PIN_NUMBER "1" at 23.81,48.25 h0.2 r270
R210: PIN_NUMBER "2" at 12.3,49.76 h0.2 r90; PIN_NUMBER "1" at 12.3,48.86 h0.2 r90
R211: PIN_NUMBER "2" at 13.73,56.42 h0.2 r90; PIN_NUMBER "1" at 13.73,55.52 h0.2 r90
R212: PIN_NUMBER "2" at 14.2,59.1 h0.2 r180; PIN_NUMBER "1" at 15.1,59.1 h0.2 r180
R218: PIN_NUMBER "1" at 32.28,10.28 h0.2 r180; PIN_NUMBER "2" at 31.38,10.28 h0.2 r180
R219: PIN_NUMBER "1" at 16.89,16.62 h0.2 r270; PIN_NUMBER "2" at 16.89,15.72 h0.2 r270
R220: PIN_NUMBER "1" at 15.48,11.86 h0.2 r270; PIN_NUMBER "2" at 15.48,10.96 h0.2 r270
R221: PIN_NUMBER "1" at 16.89,9.65 h0.2 r90; PIN_NUMBER "2" at 16.89,10.55 h0.2 r90
R222: PIN_NUMBER "1" at 16.89,18.68 h0.2 r270; PIN_NUMBER "2" at 16.89,17.78 h0.2 r270
R224: PIN_NUMBER "2" at 8.49,7.32 h0.2 r270; PIN_NUMBER "1" at 8.49,8.22 h0.2 r270
R229: PIN_NUMBER "1" at 71.94,81.15 h0.2; PIN_NUMBER "2" at 71.04,81.15 h0.2
R230: PIN_NUMBER "1" at 71.04,80.03 h0.2 r180; PIN_NUMBER "2" at 71.94,80.03 h0.2 r180
R231: PIN_NUMBER "1" at 69.92,80.67 h0.2; PIN_NUMBER "2" at 69.02,80.67 h0.2
R232: PIN_NUMBER "1" at 69.92,79.55 h0.2; PIN_NUMBER "2" at 69.02,79.55 h0.2
R233: PIN_NUMBER "2" at 70.15,84.633 h0.2; PIN_NUMBER "1" at 71.05,84.633 h0.2
R234: PIN_NUMBER "1" at 69,78.4 h0.2 r180; PIN_NUMBER "2" at 69.9,78.4 h0.2 r180
R235: PIN_NUMBER "2" at 71.04,82.38 h0.2 r180; PIN_NUMBER "1" at 70.14,82.38 h0.2 r180
R236: PIN_NUMBER "2" at 71.04,83.5 h0.2 r180; PIN_NUMBER "1" at 70.14,83.5 h0.2 r180
R237: PIN_NUMBER "2" at 21.865,82.285 h0.2; PIN_NUMBER "1" at 22.765,82.285 h0.2
R240: PIN_NUMBER "2" at 9.6,15 h0.2 r180; PIN_NUMBER "1" at 10.5,15 h0.2 r180
R243: PIN_NUMBER "2" at 66.9,20.8 h0.2; PIN_NUMBER "1" at 66,20.8 h0.2
R244: PIN_NUMBER "1" at 66,19.6 h0.2; PIN_NUMBER "2" at 66.9,19.6 h0.2
R245: PIN_NUMBER "2" at 68.25,20.55 h0.2 r90; PIN_NUMBER "1" at 68.25,19.65 h0.2 r90
R246: PIN_NUMBER "2" at 76,67.3 h0.2 r180; PIN_NUMBER "1" at 75.1,67.3 h0.2 r180
R247: PIN_NUMBER "1" at 76,68.46 h0.2; PIN_NUMBER "2" at 75.1,68.46 h0.2
R248: PIN_NUMBER "2" at 71.9,55.5 h0.2; PIN_NUMBER "1" at 71,55.5 h0.2
R249: PIN_NUMBER "2" at 62.97,82.4 h0.2 r180; PIN_NUMBER "1" at 62.07,82.4 h0.2 r180
R250: PIN_NUMBER "1" at 62.22,83.4 h0.2 r180; PIN_NUMBER "2" at 63.12,83.4 h0.2 r180
R251: PIN_NUMBER "1" at 44.4,43.96 h0.2; PIN_NUMBER "2" at 45.3,43.96 h0.2
R252: PIN_NUMBER "1" at 44.3,40.6 h0.2; PIN_NUMBER "2" at 45.2,40.6 h0.2
R253: PIN_NUMBER "2" at 44.25,38.35 h0.2 r270; PIN_NUMBER "1" at 44.25,39.25 h0.2 r270
R254: PIN_NUMBER "2" at 42.7,39.4 h0.2; PIN_NUMBER "1" at 41.8,39.4 h0.2
R255: PIN_NUMBER "1" at 41.8,38.2 h0.2; PIN_NUMBER "2" at 42.7,38.2 h0.2
R256: PIN_NUMBER "2" at 45.5,38.2 h0.2 r180; PIN_NUMBER "1" at 46.4,38.2 h0.2 r180
R257: PIN_NUMBER "1" at 41.45,41.55 h0.2 r270; PIN_NUMBER "2" at 41.45,40.65 h0.2 r270
R258: PIN_NUMBER "1" at 41.45,43.25 h0.2 r90; PIN_NUMBER "2" at 41.45,44.15 h0.2 r90
R259: PIN_NUMBER "2" at 31.1,40.7 h0.2 r180; PIN_NUMBER "1" at 32,40.7 h0.2 r180
R260: PIN_NUMBER "1" at 46.91,35.79 h0.2 r180; PIN_NUMBER "2" at 46.01,35.79 h0.2 r180
R262: PIN_NUMBER "1" at 48.2,35.6 h0.2; PIN_NUMBER "2" at 49.1,35.6 h0.2
R263: PIN_NUMBER "1" at 40.25,50.95 h0.2 r270; PIN_NUMBER "2" at 40.25,50.05 h0.2 r270
R264: PIN_NUMBER "1" at 31.1,39.4 h0.2; PIN_NUMBER "2" at 32,39.4 h0.2
R265: PIN_NUMBER "2" at 42.65,41.55 h0.2 r90; PIN_NUMBER "1" at 42.65,40.65 h0.2 r90
R266: PIN_NUMBER "1" at 42.65,44.15 h0.2 r270; PIN_NUMBER "2" at 42.65,43.25 h0.2 r270
R267: PIN_NUMBER "1" at 74.273,44.307 h0.2; PIN_NUMBER "2" at 75.868,44.287 h0.2
R268: PIN_NUMBER "1" at 51.967,33.393 h0.2 r180; PIN_NUMBER "2" at 50.372,33.413 h0.2 r180
R269: PIN_NUMBER "1" at 75.3,41.9 h0.2; PIN_NUMBER "2" at 76.2,41.9 h0.2
R270: PIN_NUMBER "1" at 53.6,34.6 h0.2; PIN_NUMBER "2" at 54.5,34.6 h0.2
R271: PIN_NUMBER "2" at 78.05,39.55 h0.2 r270; PIN_NUMBER "1" at 78.05,40.45 h0.2 r270
R272: PIN_NUMBER "2" at 54.5,33.3 h0.2; PIN_NUMBER "1" at 53.6,33.3 h0.2
R273: PIN_NUMBER "2" at 79.25,39.55 h0.2 r270; PIN_NUMBER "1" at 79.25,40.45 h0.2 r270
R274: PIN_NUMBER "2" at 52.7,28.3 h0.2 r180; PIN_NUMBER "1" at 53.6,28.3 h0.2 r180
R275: PIN_NUMBER "1" at 9.6,16.2 h0.2; PIN_NUMBER "2" at 10.5,16.2 h0.2
R282: PIN_NUMBER "1" at 62.95,70.65 h0.2 r270; PIN_NUMBER "2" at 62.95,69.75 h0.2 r270
R283: PIN_NUMBER "2" at 59.9,71.9 h0.2; PIN_NUMBER "1" at 59,71.9 h0.2
R284: PIN_NUMBER "2" at 58.3,67.8 h0.2 r180; PIN_NUMBER "1" at 59.2,67.8 h0.2 r180
R285: PIN_NUMBER "1" at 56.95,76.55 h0.2 r270; PIN_NUMBER "2" at 56.95,75.65 h0.2 r270
R286: PIN_NUMBER "1" at 60.4,73.1 h0.2 r180; PIN_NUMBER "2" at 59.5,73.1 h0.2 r180
R287: PIN_NUMBER "2" at 63.25,67.65 h0.2 r270; PIN_NUMBER "1" at 63.25,68.55 h0.2 r270
R288: PIN_NUMBER "2" at 61.4,67.8 h0.2; PIN_NUMBER "1" at 60.5,67.8 h0.2
R289: PIN_NUMBER "1" at 62,71.9 h0.2 r180; PIN_NUMBER "2" at 61.1,71.9 h0.2 r180
R293: PIN_NUMBER "2" at 55.31,21.78 h0.2 r270; PIN_NUMBER "1" at 55.31,20.88 h0.2 r270
R294: PIN_NUMBER "2" at 27.51,34.56 h0.2; PIN_NUMBER "1" at 26.61,34.56 h0.2
R295: PIN_NUMBER "1" at 14.46,44.81 h0.2 r180; PIN_NUMBER "2" at 13.56,44.81 h0.2 r180
R296: PIN_NUMBER "1" at 14.44,45.99 h0.2 r180; PIN_NUMBER "2" at 13.54,45.99 h0.2 r180
R297: PIN_NUMBER "2" at 26.93,27.8 h0.2; PIN_NUMBER "1" at 26.03,27.8 h0.2
R298: PIN_NUMBER "1" at 26.93,26.6 h0.2 r180; PIN_NUMBER "2" at 26.03,26.6 h0.2 r180
R307: PIN_NUMBER "2" at -2.17,76.9 h0.2 r180; PIN_NUMBER "1" at -3.07,76.9 h0.2 r180
R308: PIN_NUMBER "1" at -2.27,67 h0.2; PIN_NUMBER "2" at -3.17,67 h0.2
R309: PIN_NUMBER "1" at 55.13,41.7 h0.2 r180; PIN_NUMBER "2" at 56.03,41.7 h0.2 r180
R311: PIN_NUMBER "1" at 64.46,85 h0.2 r180; PIN_NUMBER "2" at 65.36,85 h0.2 r180
R312: PIN_NUMBER "2" at -4.47,17.6 h0.2; PIN_NUMBER "1" at -3.57,17.6 h0.2
R313: PIN_NUMBER "2" at -2.07,17.6 h0.2; PIN_NUMBER "1" at -1.17,17.6 h0.2
R314: PIN_NUMBER "2" at -1.17,16.3 h0.2 r180; PIN_NUMBER "1" at -2.07,16.3 h0.2 r180
R315: PIN_NUMBER "1" at -3.57,16.3 h0.2; PIN_NUMBER "2" at -4.47,16.3 h0.2
R316: PIN_NUMBER "2" at 60.68,28.75 h0.2 r90; PIN_NUMBER "1" at 60.68,29.65 h0.2 r90
R317: PIN_NUMBER "1" at 53.83,29.7 h0.2; PIN_NUMBER "2" at 52.93,29.7 h0.2
R318: PIN_NUMBER "1" at 44.42,18.62 h0.2 r270; PIN_NUMBER "2" at 44.42,17.72 h0.2 r270
R319: PIN_NUMBER "1" at 47.53,20.2 h0.2 r180; PIN_NUMBER "2" at 46.63,20.2 h0.2 r180
RR2: PIN_NUMBER "16" at 55.66,79.24 h0.2; PIN_NUMBER "15" at 55.16,79.24 h0.2; PIN_NUMBER "12" at 53.66,79.24 h0.2; PIN_NUMBER "14" at 54.66,79.24 h0.2; PIN_NUMBER "13" at 54.16,79.24 h0.2; PIN_NUMBER "11" at 53.16,79.24 h0.2; PIN_NUMBER "10" at 52.66,79.24 h0.2; PIN_NUMBER "9" at 52.24,79.24 h0.2; PIN_NUMBER "1" at 55.74,77.74 h0.2; PIN_NUMBER "6" at 53.24,77.74 h0.2; PIN_NUMBER "5" at 53.74,77.74 h0.2; PIN_NUMBER "3" at 54.74,77.74 h0.2; PIN_NUMBER "2" at 55.24,77.74 h0.2; PIN_NUMBER "7" at 52.74,77.74 h0.2; PIN_NUMBER "8" at 52.24,77.74 h0.2; PIN_NUMBER "4" at 54.24,77.74 h0.2
RR3: PIN_NUMBER "6" at 54.94,76.2 h0.2; PIN_NUMBER "5" at 54.44,76.2 h0.2; PIN_NUMBER "12" at 54.36,77.7 h0.2; PIN_NUMBER "16" at 52.36,77.7 h0.2; PIN_NUMBER "15" at 52.86,77.7 h0.2; PIN_NUMBER "10" at 55.36,77.7 h0.2; PIN_NUMBER "11" at 54.86,77.7 h0.2; PIN_NUMBER "13" at 53.86,77.7 h0.2; PIN_NUMBER "14" at 53.36,77.7 h0.2; PIN_NUMBER "9" at 55.94,77.7 h0.2; PIN_NUMBER "1" at 52.44,76.2 h0.2; PIN_NUMBER "2" at 52.94,76.2 h0.2; PIN_NUMBER "3" at 53.44,76.2 h0.2; PIN_NUMBER "4" at 53.94,76.2 h0.2; PIN_NUMBER "7" at 55.44,76.2 h0.2; PIN_NUMBER "8" at 55.94,76.2 h0.2
RR4: PIN_NUMBER "3" at 5.003,34.555 h0.2 r270; PIN_NUMBER "7" at 5.846,36.14 h0.2 r270; PIN_NUMBER "8" at 6.646,36.14 h0.2 r270; PIN_NUMBER "5" at 4.246,36.14 h0.2 r270; PIN_NUMBER "4" at 4.195,34.542 h0.2 r270; PIN_NUMBER "2" at 5.813,34.559 h0.2 r270; PIN_NUMBER "1" at 6.608,34.561 h0.2 r270; PIN_NUMBER "6" at 5.046,36.14 h0.2 r270